# KiCad board MUX.kicad_pcb (continued)
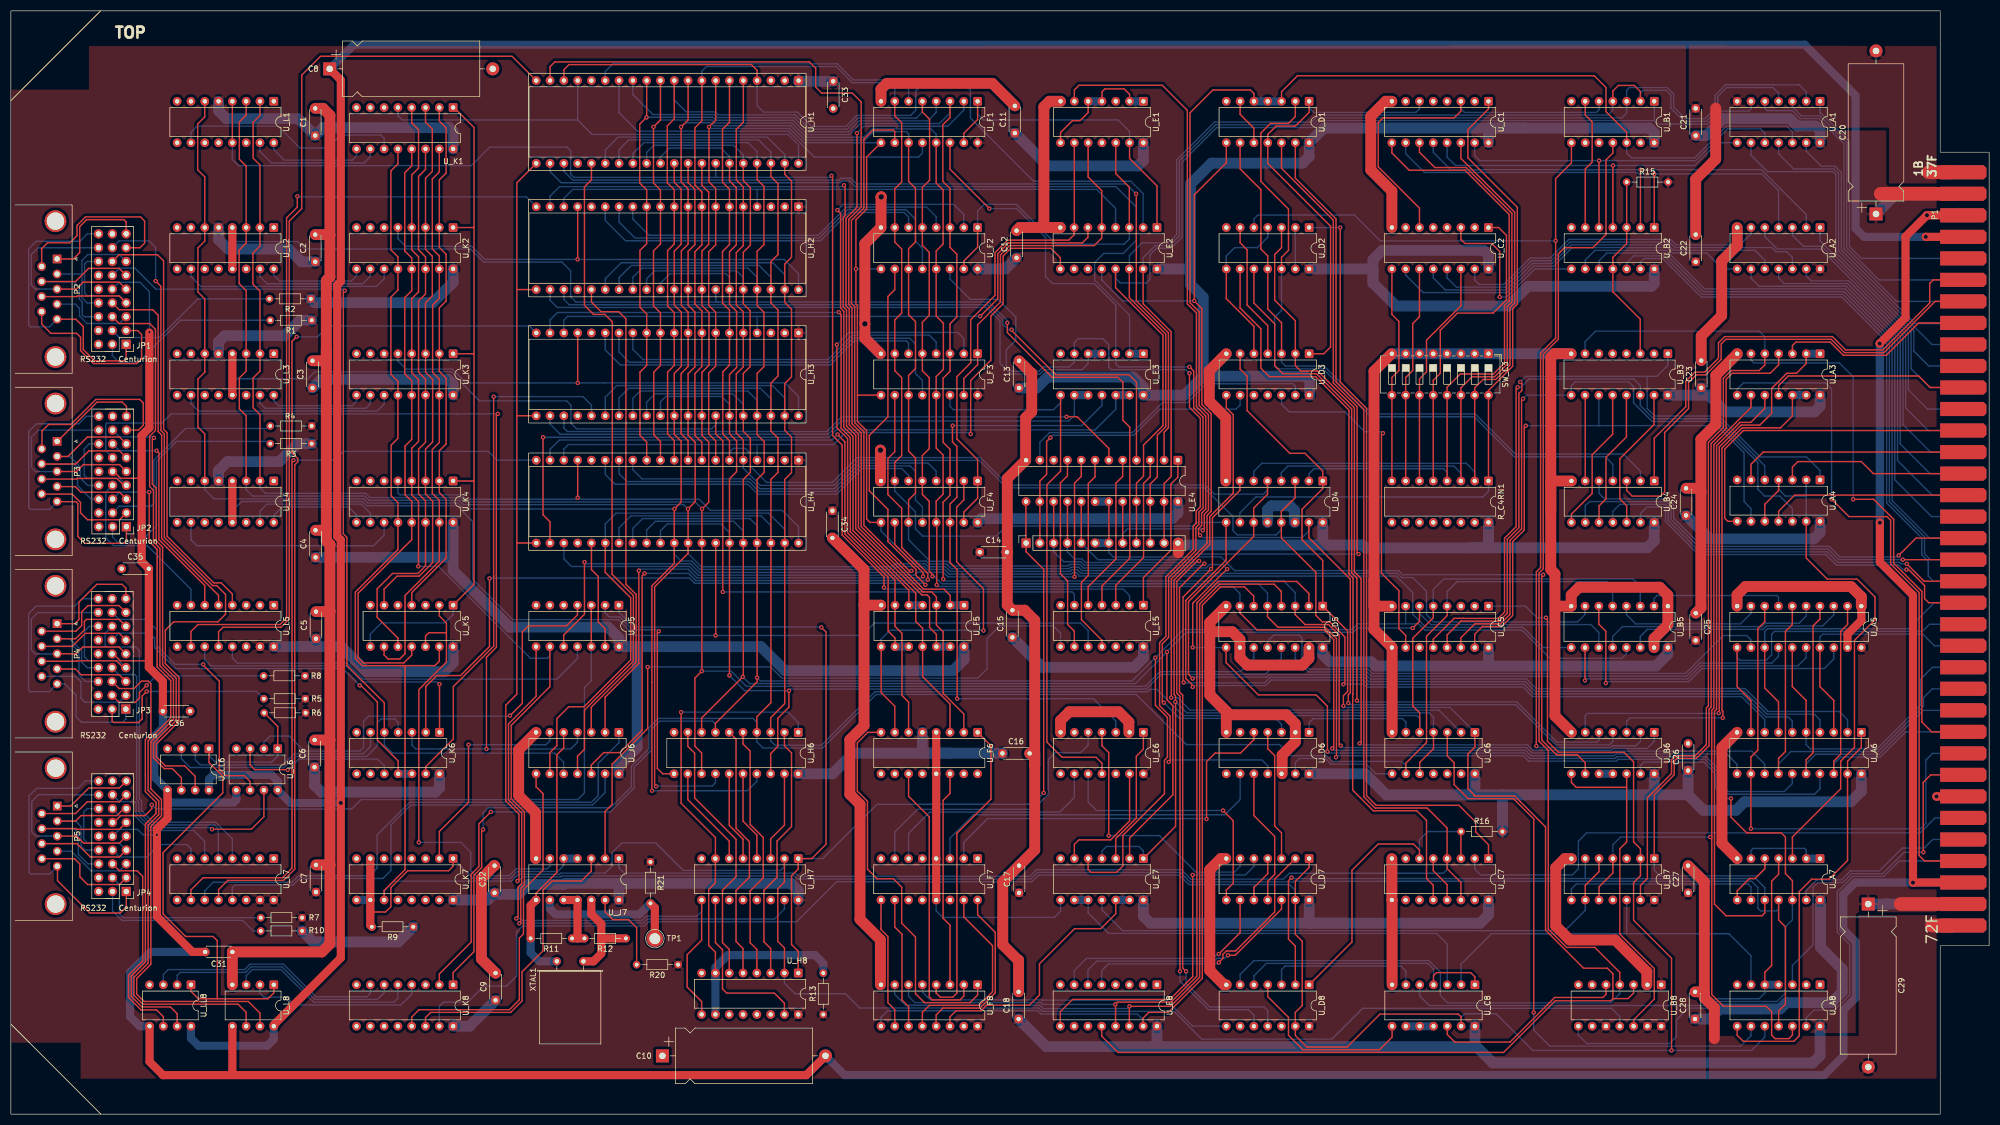
[diagram p0: board, top side]
## Nets (continued)
/~{CommonRead}: U_B8.3 U_C6.1 U_D3.6 U_D4.1 U_D5.1 U_E8.12
/~{CREndStrobe}: U_B8.5 U_C8.12
/~{CTS_{0}}: JP1.20 U_L5.4
/~{CTS_{1}}: JP2.20 U_L5.6
/~{CTS_{2}}: JP3.20 U_L7.4
/~{CTS_{3}}: JP4.20 U_L7.6
/~{DirectAddressed}: U_B6.1 U_D2.3 U_D3.2
/~{DirectRead}: U_C6.2 U_D1.8 U_E2.12
/~{DirectWrite}: U_D1.12 U_E4.18 U_E4.19 U_EB4.6 U_EB4.7
/~{ForceReset}: U_B6.9 U_E4.17 U_EB4.5
/~{ForceTXEInt}: U_D3.9 U_E4.14 U_EB4.2
/~{INT_INH}: U_A3.9 U_A8.12 U_B7.4 U_B7.10
/~{INT_Request}: U_A3.10 U_A7.10 U_B7.6 U_D8.2
/~{INTACK}: U_A8.6 U_B7.12 U_C8.2
/~{IntEnabled}: U_D8.8 U_F8.5
/~{InterruptsOFF}: U_D8.11 U_E4.15 U_EB4.3
/~{InterruptsON}: U_D8.10 U_E4.16 U_EB4.4
/~{INTHandled}: U_C8.1 U_C8.4 U_D8.5
/~{LoadCBR}: U_E4.13 U_EB4.1 U_H7.1 U_H8.1 U_J5.1
/~{LoadCR_{0}}: U_E4.1 U_E5.1
/~{LoadCR_{1}}: U_E4.3 U_E5.3
/~{LoadCR_{2}}: U_E4.5 U_E5.5
/~{LoadCR_{3}}: U_E4.7 U_E5.11
/~{LoadIPL}: U_D3.13 U_E4.11
/~{LoadRTS}: U_E4.9 U_E5.9
/~{LoadTxB_{0}}: U_E4.2 U_H1.23
/~{LoadTxB_{1}}: U_E4.4 U_H2.23
/~{LoadTxB_{2}}: U_E4.6 U_H3.23
/~{LoadTxB_{3}}: U_E4.8 U_H4.23
/~{ReadRxB_{0}}: U_E2.2 U_H1.4 U_H1.18
/~{ReadRxB_{1}}: U_E2.4 U_H2.4 U_H2.18
/~{ReadRxB_{2}}: U_E2.6 U_H3.4 U_H3.18
/~{ReadRxB_{3}}: U_E2.9 U_H4.4 U_H4.18
/~{ReadSR_{0}}: U_E1.13 U_E2.1 U_F1.1 U_F1.15
/~{ReadSR_{1}}: U_E1.12 U_E2.3 U_F2.1 U_F2.15
/~{ReadSR_{2}}: U_E1.10 U_E2.5 U_F3.1 U_F3.15
/~{ReadSR_{3}}: U_E1.9 U_E2.7 U_F4.1 U_F4.15
/~{Reset}: U_A8.10 U_B7.2 U_C5.1 U_C8.13 U_D7.1 U_D7.4 U_D7.10 U_D7.13 U_D8.13 U_K8.15
/~{RTS_REG_EN}: U_J7.3 U_K8.14
/~{RTS_{0}}: JP1.8 U_L8.7
/~{RTS_{1}}: JP2.8 U_L8.6
/~{RTS_{2}}: JP3.8 U_LL8.7
/~{RTS_{3}}: JP4.8 U_LL8.6
/~{RX_{0}}: JP1.11 U_L5.5
/~{RX_{1}}: JP2.11 U_L5.7
/~{RX_{2}}: JP3.11 U_L7.5
/~{RX_{3}}: JP4.11 U_L7.7
/~{SelfReset}: U_A7.12 U_B6.13 U_B8.8
/~{StatusOut}: U_B6.4 U_D4.15 U_E1.6
/~{SysDataOutEN}: U_A6.1 U_A6.19 U_A8.8
/~{TX_{0}_EIA}: JP1.17 U_J6.10 U_K6.5
/~{TX_{0}}: JP1.23 U_LL6.7
/~{TX_{1}_EIA}: JP2.17 U_J6.4 U_K6.3
/~{TX_{1}}: JP2.23 U_LL6.6
/~{TX_{2}_EIA}: JP3.17 U_K6.11 U_K6.12
/~{TX_{2}}: JP3.23 U_L6.6
/~{TX_{3}_EIA}: JP4.17 U_J5.3 U_J5.12
/~{TX_{3}}: JP4.23 U_L6.7
Sys.Clock: P1.31 U_C7.2
Sys.INT_IN: P1.33 U_A8.13
Sys.INT_OUT: P1.69 U_A3.8
Sys.~{A_{0}}: P1.5 U_A1.1
Sys.~{A_{1}}: P1.6 U_A1.3
Sys.~{A_{2}}: P1.7 U_A1.5
Sys.~{A_{3}}: P1.8 U_A1.13
Sys.~{A_{4}}: P1.9 U_A1.11
Sys.~{A_{5}}: P1.10 U_A1.9
Sys.~{A_{6}}: P1.11 U_A2.1
Sys.~{A_{7}}: P1.12 U_A2.3
Sys.~{A_{8}}: P1.13 U_A2.5
Sys.~{A_{9}}: P1.14 U_A2.13
Sys.~{A_{10}}: P1.15 U_A2.11
Sys.~{A_{11}}: P1.16 U_A2.9
Sys.~{A_{12}}: P1.17 U_B2.9
Sys.~{A_{13}}: P1.18 U_B2.10
Sys.~{A_{14}}: P1.19 U_B2.12
Sys.~{A_{15}}: P1.20 U_B2.13
Sys.~{APRE}: P1.47 U_A3.11
Sys.~{CPL_{0}}: P1.54 U_B4.5
Sys.~{CPL_{1}}: P1.55 U_B4.9
Sys.~{CPL_{2}}: P1.56 U_B4.11
Sys.~{CPL_{3}}: P1.57 U_B4.13
Sys.~{D_{0}}: P1.21 U_A5.13 U_A6.7
Sys.~{D_{1}}: P1.22 U_A5.11 U_A6.9
Sys.~{D_{2}}: P1.23 U_A5.17 U_A6.3
Sys.~{D_{3}}: P1.24 U_A5.15 U_A6.5
Sys.~{D_{4}}: P1.25 U_A5.6 U_A6.14
Sys.~{D_{5}}: P1.26 U_A5.4 U_A6.16
Sys.~{D_{6}}: P1.27 U_A5.2 U_A6.18
Sys.~{D_{7}}: P1.28 U_A5.8 U_A6.12
Sys.~{DRDY}: P1.44 U_A3.3
Sys.~{INR_{0}}: P1.52 U_A4.11
Sys.~{INR_{1}}: P1.49 U_A4.8
Sys.~{INR_{2}}: P1.50 U_A4.6
Sys.~{INR_{3}}: P1.51 U_A4.3
Sys.~{INTACK}: P1.65 U_A8.3
Sys.~{INTRQ}: P1.63 U_A3.6
Sys.~{RDIN}: P1.42 U_B4.1
Sys.~{Reset}: P1.32 U_A7.13
Sys.~{WTIN}: P1.43 U_B4.3
Net-(JP1-Pad1): JP1.1 JP1.27 P2.5
Net-(JP1-Pad2): JP1.2 R1.2
Net-(JP1-Pad4): JP1.4 P2.9
Net-(JP1-Pad5): JP1.5 R2.2
Net-(JP1-Pad7): JP1.7 P2.4
Net-(JP1-Pad10): JP1.10 JP1.21 P2.8
Net-(JP1-Pad12): JP1.12 JP1.19 P2.2
Net-(JP1-Pad13): JP1.13 JP1.24 P2.3
Net-(JP1-Pad16): JP1.9 JP1.16 P2.7
Net-(JP1-Pad22): JP1.22 P2.6
Net-(JP1-Pad25): JP1.25 P2.1
Net-(JP2-Pad1): JP2.1 JP2.27 P3.5
Net-(JP2-Pad2): JP2.2 R3.2
Net-(JP2-Pad4): JP2.4 P3.9
Net-(JP2-Pad5): JP2.5 R4.2
Net-(JP2-Pad7): JP2.7 P3.4
Net-(JP2-Pad10): JP2.10 JP2.21 P3.8
Net-(JP2-Pad12): JP2.12 JP2.19 P3.2
Net-(JP2-Pad13): JP2.13 JP2.24 P3.3
Net-(JP2-Pad16): JP2.9 JP2.16 P3.7
Net-(JP2-Pad22): JP2.22 P3.6
Net-(JP2-Pad25): JP2.25 P3.1
Net-(JP3-Pad1): JP3.1 JP3.27 P4.5
Net-(JP3-Pad2): JP3.2 R5.2
Net-(JP3-Pad4): JP3.4 P4.9
Net-(JP3-Pad5): JP3.5 R8.2
Net-(JP3-Pad7): JP3.7 P4.4
Net-(JP3-Pad10): JP3.10 JP3.21 P4.8
Net-(JP3-Pad12): JP3.12 JP3.19 P4.2
Net-(JP3-Pad13): JP3.13 JP3.24 P4.3
Net-(JP3-Pad16): JP3.9 JP3.16 P4.7
Net-(JP3-Pad22): JP3.22 P4.6
Net-(JP3-Pad25): JP3.25 P4.1
Net-(JP4-Pad1): JP4.1 JP4.27 P5.5
Net-(JP4-Pad2): JP4.2 R10.2
Net-(JP4-Pad4): JP4.4 P5.9
Net-(JP4-Pad5): JP4.5 R7.2
Net-(JP4-Pad7): JP4.7 P5.4
Net-(JP4-Pad10): JP4.10 JP4.21 P5.8
Net-(JP4-Pad12): JP4.12 JP4.19 P5.2
Net-(JP4-Pad13): JP4.13 JP4.24 P5.3
Net-(JP4-Pad16): JP4.9 JP4.16 P5.7
Net-(JP4-Pad22): JP4.22 P5.6
Net-(JP4-Pad25): JP4.25 P5.1
Net-(P1-Pad30): P1.30 P1.66
Net-(R6-Pad2): R6.2 U_L6.1 U_L8.1 U_LL6.1 U_LL8.1
Net-(R9-Pad2): R9.2 U_J7.4 U_J7.5 U_K7.1 U_K7.7 U_K7.9 U_K7.10
Net-(R11-Pad1): R11.1 R12.2 U_J7.10 U_J7.11
Net-(R11-Pad2): R11.2 U_J6.5 U_J7.8 XTAL1.1
Net-(R12-Pad1): R12.1 U_J7.12 XTAL1.2
Net-(R13-Pad2): R13.2 U_H6.1 U_H7.7 U_H8.7 U_H8.10
Net-(R15-Pad1): R15.1 U_B2.3 U_B2.11 U_B3.3
Net-(R16-Pad1): R16.1 U_C7.3 U_C7.6 U_D8.1
Net-(R20-Pad2): R20.2 U_J7.13
Net-(R21-Pad2): R21.2 TP1.1 U_J7.9
Net-(R_C4RN1-Pad1): R_C4RN1.1 SW_C3.16 U_C1.1 U_D4.10
Net-(R_C4RN1-Pad2): R_C4RN1.2 SW_C3.15 U_C1.14 U_D4.6
Net-(R_C4RN1-Pad3): R_C4RN1.3 SW_C3.14 U_C1.11 U_D4.4
Net-(R_C4RN1-Pad4): R_C4RN1.4 SW_C3.13 U_C1.9 U_D4.2
Net-(R_C4RN1-Pad5): R_C4RN1.5 SW_C3.12 U_C2.1
Net-(R_C4RN1-Pad6): R_C4RN1.6 SW_C3.11 U_C2.14
Net-(R_C4RN1-Pad7): R_C4RN1.7 SW_C3.10 U_C2.11
Net-(R_C4RN1-Pad8): R_C4RN1.8 SW_C3.9 U_C2.9
Net-(U_A1-Pad8): U_A1.8 U_B2.4 U_C1.13
Net-(U_A1-Pad10): U_A1.10 U_B2.5 U_C1.15
Net-(U_A2-Pad2): U_A2.2 U_B2.2 U_C1.12
Net-(U_A2-Pad4): U_A2.4 U_B2.1 U_C1.10
Net-(U_A2-Pad6): U_A2.6 U_C2.15
Net-(U_A2-Pad8): U_A2.8 U_C2.10
Net-(U_A2-Pad10): U_A2.10 U_C2.12
Net-(U_A2-Pad12): U_A2.12 U_C2.13
Net-(U_A3-Pad1): U_A3.1 U_A3.2 U_B6.6
Net-(U_A3-Pad12): U_A3.12 U_A3.13 U_B6.3
Net-(U_A4-Pad1): U_A4.1 U_B3.1 U_C5.13
Net-(U_A4-Pad5): U_A4.5 U_B3.14 U_C5.12
Net-(U_A4-Pad9): U_A4.9 U_B3.11 U_C5.15
Net-(U_A4-Pad12): U_A4.12 U_B3.9 U_C5.14
Net-(U_A7-Pad1): U_A7.1 U_A7.2 U_A7.6
Net-(U_A7-Pad9): U_A7.9 U_B7.8
Net-(U_A8-Pad9): U_A8.9 U_C6.3
Net-(U_B1-Pad6): U_B1.6 U_B2.6
Net-(U_B2-Pad8): U_B2.8 U_C2.3
Net-(U_B3-Pad10): U_B3.10 U_B4.6
Net-(U_B3-Pad12): U_B3.12 U_B4.8
Net-(U_B3-Pad13): U_B3.13 U_B4.10
Net-(U_B3-Pad15): U_B3.15 U_B4.12
Net-(U_B6-Pad5): U_B6.5 U_D2.10
Net-(U_B6-Pad10): U_B6.10 U_B6.11
Net-(U_B6-Pad12): U_B6.8 U_B6.12 U_B8.12
Net-(U_C6-Pad6): U_C6.6 U_D6.1
Net-(U_C6-Pad8): U_C6.8 U_D6.13
Net-(U_C7-Pad1): U_C7.1 U_D2.1
Net-(U_C8-Pad3): U_C8.3 U_E7.9 U_E7.10
Net-(U_C8-Pad6): U_C8.6 U_D8.3
Net-(U_C8-Pad8): U_C8.8 U_D8.4
Net-(U_C8-Pad10): U_C8.9 U_C8.10 U_C8.11
Net-(U_D1-Pad10): U_D1.6 U_D1.10
Net-(U_D2-Pad6): U_D2.6 U_D3.4
Net-(U_D2-Pad13): U_D2.2 U_D2.13
Net-(U_D5-Pad2): U_D5.2 U_E8.13 U_F8.6
Net-(U_D5-Pad4): U_D5.4 U_E8.14 U_F8.7
Net-(U_D5-Pad6): U_D5.6 U_E8.15 U_F8.9
Net-(U_D6-Pad4): U_D6.4 U_D7.3
Net-(U_D6-Pad10): U_D6.10 U_D7.11
Net-(U_D7-Pad2): U_D7.2 U_E8.5
Net-(U_D7-Pad5): U_D7.5 U_E8.9
Net-(U_D7-Pad6): U_D7.6 U_E6.4
Net-(U_D7-Pad8): U_D7.8 U_E6.10
Net-(U_D7-Pad9): U_D7.9 U_E8.7
Net-(U_D7-Pad12): U_D7.12 U_E8.6
Net-(U_E1-Pad1): U_E1.1 U_E1.2 U_E1.4 U_E1.5 U_E1.8
Net-(U_E3-Pad1): U_E3.1 U_E3.2 U_H1.22
Net-(U_E3-Pad4): U_E3.4 U_E3.5 U_H2.22
Net-(U_E3-Pad10): U_E3.9 U_E3.10 U_H3.22
Net-(U_E3-Pad12): U_E3.12 U_E3.13 U_H4.22
Net-(U_E5-Pad8): U_E5.8 U_J7.2
Net-(U_E6-Pad1): U_E6.1 U_E7.3
Net-(U_E6-Pad13): U_E6.13 U_E7.6
Net-(U_E7-Pad12): U_E7.12 U_E7.13 U_F8.14
Net-(U_F5-Pad1): U_F5.1 U_F5.2 U_H1.19
Net-(U_F5-Pad4): U_F5.4 U_F5.5 U_H3.19
Net-(U_F5-Pad10): U_F5.9 U_F5.10 U_H4.19
Net-(U_F5-Pad12): U_F5.12 U_F5.13 U_H2.19
Net-(U_H1-Pad17): U_H1.17 U_H1.40 U_K1.5
Net-(U_H2-Pad17): U_H2.17 U_H2.40 U_K2.5
Net-(U_H3-Pad17): U_H3.17 U_H3.40 U_K3.5
Net-(U_H4-Pad17): U_H4.17 U_H4.40 U_K4.5
Net-(U_H6-Pad2): U_H6.2 U_H8.3
Net-(U_H6-Pad5): U_H6.5 U_H8.4
Net-(U_H6-Pad6): U_H6.6 U_H8.5
Net-(U_H6-Pad9): U_H6.9 U_H8.6
Net-(U_H6-Pad11): U_H6.11 U_J5.2
Net-(U_H6-Pad12): U_H6.12 U_H7.6
Net-(U_H6-Pad15): U_H6.15 U_H7.5
Net-(U_H6-Pad16): U_H6.16 U_H7.4
Net-(U_H6-Pad19): U_H6.19 U_H7.3
Net-(U_H7-Pad9): U_H7.9 U_H8.9 U_J5.8
Net-(U_H7-Pad10): U_H7.10 U_H8.15
Net-(U_H7-Pad15): U_H7.15 U_J5.9 U_K1.4 U_K2.4 U_K3.4 U_K4.4
Net-(U_J5-Pad11): U_J5.11 U_L5.13
Net-(U_J6-Pad1): U_J6.1 U_L7.11
Net-(U_J6-Pad6): U_J6.6 U_K7.2
Net-(U_J6-Pad8): U_J6.8 U_K8.13
Net-(U_J6-Pad13): U_J6.13 U_L7.13
Net-(U_J7-Pad6): U_J7.6 U_K5.2 U_K5.12
Net-(U_K1-Pad1): U_K1.1 U_K2.1 U_K3.1 U_K4.1 U_K5.1 U_K5.8
Net-(U_K1-Pad2): U_K1.2 U_K2.2 U_K3.2 U_K4.2 U_K5.4
Net-(U_K1-Pad3): U_K1.3 U_K2.3 U_K3.3 U_K4.3 U_K5.6
Net-(U_K1-Pad9): U_K1.9 U_L1.16
Net-(U_K1-Pad10): U_K1.10 U_L1.15
Net-(U_K1-Pad11): U_K1.11 U_L1.10
Net-(U_K1-Pad13): U_K1.13 U_K2.13 U_K3.13 U_K4.13 U_K5.11
Net-(U_K1-Pad14): U_K1.14 U_K2.14 U_K3.14 U_K4.14 U_K5.10
Net-(U_K1-Pad15): U_K1.15 U_K2.15 U_K3.15 U_K4.15 U_K5.9
Net-(U_K2-Pad9): U_K2.9 U_L2.16
Net-(U_K2-Pad10): U_K2.10 U_L2.15
Net-(U_K2-Pad11): U_K2.11 U_L2.10
Net-(U_K3-Pad9): U_K3.9 U_L3.16
Net-(U_K3-Pad10): U_K3.10 U_L3.15
Net-(U_K3-Pad11): U_K3.11 U_L3.10
Net-(U_K4-Pad9): U_K4.9 U_L4.16
Net-(U_K4-Pad10): U_K4.10 U_L4.15
Net-(U_K4-Pad11): U_K4.11 U_L4.10
Net-(U_K6-Pad1): U_K6.1 U_L5.11

Pads without a net: JP1 3 6 15 18; JP2 3 6 15 18; JP3 3 6 15 18; JP4 3 6 15 18; P1 29 41 45 46 48 53 58 59 60 61 62 64 67 68; P2 0; P3 0; P4 0; P5 0; R_C4RN1 9 10 11 12 13 14 15; U_A8 1 2; U_B1 9 10 13; U_B3 5 6; U_B7 3 11; U_B8 6 9; U_C1 5 7; U_C2 5 7; U_C5 2 3 11; U_C6 11 12 13; U_C7 11 15; U_D3 10 11; U_D6 6 8; U_D8 9; U_E1 3 11; U_E2 10 11; U_E4 10; U_E5 12 13; U_E6 6 8; U_E8 1 2 3 4 10 11; U_F6 9 10 15 16; U_F7 1 8 11 14; U_F8 15; U_H1 2 24; U_H2 2 24; U_H3 2 24; U_H4 2 24; U_H7 11 12 13 14; U_H8 11 12 13 14; U_J5 5 6; U_K1 6; U_K2 6; U_K3 6; U_K4 6; U_K5 3 5; U_K6 8 9; U_K7 3 4 5 6 12 13 14 15; U_K8 9 10 11 12; U_L1 1 7 8 9 11 14; U_L2 1 7 8 9 11 14; U_L3 1 7 8 9 11 14; U_L4 1 7 8 9 11 14; U_L5 1 2 3 9 14; U_L7 1 2 3 9 14

## Via types
v1: diameter 0.8, hole 0.4, Top to Bottom, 160 vias
v2: diameter 2, hole 1, Top to Bottom, 3 vias
v3: diameter 1.5, hole 0.75, Top to Bottom, 7 vias

## Routing (per net, layer and track width the routed paths; a pad name or vN(x,y) marks a point on that pad's centre or on a via; arc(x,y) is an arc through that point)
+5V: length 1734.5
  Top w2: 214.81,103.29 214.81,105.08
  Top w2.5: 347.73,38.66 P1.35 ; P1.2 344.05,169.34
  Bottom w2: U_J6.14 111.88,64.14 115.24,67.5 115.24,86.02 U_J5.14 ; 52.51,86.02 60.81,86.02 65.42,81.4 79.73,81.4 81.38,83.05 U_K5.14 ; 52.51,86.02 U_L5.16 ; 52.51,86.02 56.05,86.02 56.14,86.11 C5.1 ; U_B5.16 304.88,84.66 302.68,82.46 251.07,82.46 250.29,83.24 242.7,83.24 241.38,84.55 U_D5.16 ; 219.39,135.77 238.12,135.77 239,134.9 239,132.28 ; 219.39,135.77 215.91,132.29 U_E3.14 208.38,133.74 206.52,135.61 190.73,135.61 188.74,133.61 C13.1 ; 219.39,135.77 219.39,150.31 217.05,152.65 217.05,155.45 ; 113.68,42.46 112.02,42.46 111.88,42.32 U_J7.14 ; 113.68,42.46 143.58,42.46 144.88,41.15 U_H7.16 ; 113.68,42.46 101.91,42.46 101.71,42.26 95.2,42.26 93.37,40.44 88.72,40.44 87.68,39.4 ; U_H1.1 144.93,190.05 144.94,190.04 C33.1 ; U_F6.5 167.72,66.42 172.85,66.42 ; C12.1 182.99,155.52 U_F2.16 ; 271.88,83.26 U_C5.16 ; U_B3.16 311.03,132.29 ; 311.03,132.29 C23.1 ; 311.03,132.29 312.39,132.29 315.47,129.21 331.85,129.21 332.88,130.24 U_A3.14 ; C15.1 189.78,82.22 206.68,82.22 208.38,83.92 U_E5.14 ; C26.1 308.61,58.72 ; 308.61,58.72 311.43,55.91 317.43,55.91 319,57.48 338.56,57.48 340.49,59.4 U_A6.20 ; 308.61,58.72 308.59,58.75 301.83,58.75 ; U_L3.5 38.22,142.1 39.35,143.23 50.37,143.23 53.22,146.08 R1.1 ; U_K1.16 81.38,180.81 80.67,181.51 57.45,181.51 C1.1 52.9,183.16 39.65,183.16 38.22,184.6 U_L1.5 ; C3.1 57.09,135.2 80.47,135.2 81.38,134.3 U_K3.16 ; 274.45,58.75 301.83,58.75 ; 274.45,58.75 266.07,58.75 ; 274.45,58.75 R16.2 ; 301.83,58.75 302.38,59.3 U_B6.14 ; 269.37,12.73 269.06,12.42 190.51,12.42 C18.1 ; U_D4.16 241.38,104.72 ; 241.38,104.72 215.1,104.72 U_EB4.12 ; 241.38,104.72 248.64,104.72 249.17,104.19 268.58,104.19 268.61,104.22 ; U_K2.16 81.38,153.05 77.64,149.31 55.9,149.31 R2.1 ; U_J5.14 138.01,86.02 142.44,81.59 173.34,81.59 175.38,83.63 U_F5.14 ; U_J5.14 111.88,87.6 109.87,89.61 91.8,89.61 81.38,100.03 U_K4.16 ; U_C6.14 269.38,58.75 266.07,58.75 ; U_K6.14 78.88,60.03 78.11,59.26 57.13,59.26 55.88,60.5 C6.1 ; U_H6.20 151.17,62.63 154.97,66.42 172.85,66.42 ; R_C4RN1.16 271.88,104.24 271.91,104.22 268.61,104.22 ; U_K7.16 87.68,39.4 ; 87.68,39.4 C32.1 ; R3.1 52.71,123.37 49.41,120.07 39.86,120.07 38.22,118.43 U_L4.5 ; P1.35 345.07,38.66 345.07,38.66 C29.1 ; 210.88,12.42 U_E8.16 ; 250.62,152.93 250.62,157.2 252.35,158.93 271,158.93 271.88,158.04 U_C2.16 ; 250.62,152.93 254.87,148.69 275.5,148.69 279.13,152.32 301.88,152.32 302.38,152.83 U_B2.14 ; 250.62,152.93 250.62,155.47 250.58,155.52 U_D2.14 ; 210.95,155.52 216.98,155.52 217.05,155.45 ; U_A1.14 332.88,181.01 332.08,181.82 328.66,181.82 327.32,183.16 315.08,183.16 311.98,180.06 C21.1 ; 266.07,58.75 253.09,58.75 249.21,62.63 U_D6.14 ; 278.43,181.44 241.59,181.44 U_D1.14 238.88,176.19 237.67,174.98 220.91,174.98 217.05,171.12 217.05,155.45 ; 278.43,181.44 301.46,181.44 302.38,180.52 U_B1.14 ; 278.43,181.44 271.88,181.44 U_C1.16 ; 172.85,66.42 182.4,66.42 C16.1 ; 81.26,102.44 C4.1 ; R9.1 71.25,31.67 55.63,31.67 R10.1 ; P1.2 346.89,169.34 C20.1 ; C9.1 84.41,16.18 U_K8.16 ; C11.1 190.78,174.47 207.39,174.47 208.38,175.46 U_E1.14 ; U_A4.14 332.88,107 331.73,105.84 312.55,105.84 C24.1 ; 245.8,35.13 270.34,35.13 271.88,36.68 U_C7.16 ; 245.8,35.13 209.68,35.13 208.38,36.43 U_E7.14 ; 245.8,35.13 238.94,35.13 238.88,35.19 U_D7.14 ; U_L2.5 38.22,160.91 39.94,159.18 51.13,159.18 53.48,156.84 C2.1 ; U_B4.14 302.38,105.48 301.12,104.22 268.61,104.22 ; U_A8.14 332.88,10.76 331.55,9.42 272.67,9.42 269.38,12.71 U_C8.14 ; U_E4.24 214.73,110.64 213.66,109.57 178.57,109.57 U_F4.16 ; C28.1 312.58,17.5 314.44,19.35 325.54,19.35 326.69,20.5 334.99,20.5 336.97,22.48 336.97,26.68 332.98,30.68 332.98,39.4
+12V: length 567.6
  Top w1.5: U_L8.8 48.38,16.42 60.71,28.75 v3(60.71,57.26) 60.71,105.65 60.04,106.32 60.04,152.55 60.71,153.21 60.71,190.28 C8.1 ; P1.4 v3(352.35,161.42)
  Bottom w1.5: v3(60.71,57.26) 51.46,57.26 U_L6.8 49.1,61.26 47.93,62.43 37.29,62.43 36.45,61.6 U_LL6.8 ; U_LL8.8 33.14,13.95 34.52,12.57 47.17,12.57 48.38,13.78 U_L8.8 ; P1.4 v3(352.35,161.42) 341,161.42 339.42,163 339.42,187.43 330.08,196.77 63.1,196.77 C8.1
-12V: length 736.8
  Top w0.25: 18.87,84.68 20.14,83.41 25.61,83.41 ; 24.66,116.99 20.19,116.99 18.93,118.25
  Top w1.5: 35.76,29.85 33.4,29.85 26.87,36.38 26.87,52.47 28.83,54.43 U_LL6.5 ; P1.3 352.58,165.38 v3(352.56,165.41) 348.62,161.47 348.62,146.54 v3(343.86,141.78) ; U_L8.5 40.75,7.48 ; C36.2 27.97,79.63 25.39,82.21 C35.2 24.06,101.69 24.06,124.85 25.48,126.27 25.48,143.82 ; P1.34 350.01,42.62 v3(349.99,42.6) 349.99,95.48 343.89,101.57 v3(343.89,108.82) ; C10.2 146.35,7.17 27.98,7.17 25.48,9.68 ; 25.52,9.72 U_LL8.5
  Bottom w0.25: JP1.14 19.92,153.06 23.75,153.06 25.5,151.3 v1(25.5,143.9) ; v1(26.87,51.38) 24.31,51.38 23.3,52.4 19.97,52.4 JP4.14
  Bottom w1.5: 35.76,29.85 25.68,29.85 21.92,26.09 21.92,17.96 23.7,16.18 U_LL8.5 ; v3(343.86,141.78) 343.89,141.74 v3(343.89,108.82) ; 27.99,74.12 27.99,71.09 26.38,69.48 26.38,62.06 U_LL6.5 28.83,57.95 29.46,57.33 40.97,57.33 41.48,57.84 U_L6.5 ; P1.34 350.01,42.62 v3(349.99,42.6) 349.97,42.62 339.37,42.62 337.17,40.42 337.17,33.96 339.47,31.66 339.47,21.45 337.19,19.16 337.19,10.72 333.64,7.17 153.44,7.17 C10.2 ; v3(352.56,165.41) 357.23,165.41
GND: length 1269.3
  Top w1.5: U_A5.19 337.94,88.31 340.49,90.86 340.49,90.86 U_A5.1
  Top w2: U_A3.7 317.64,139.88 313.72,135.96 313.72,126.92 310.97,124.16 310.97,114.53 ; 58.67,104.83 58.71,104.83 ; 58.71,104.83 58.71,92.51 ; 58.71,104.83 58.04,105.49 58.04,107.49 ; C4.2 57.99,107.44 58.04,107.49 ; 250.81,98.35 250.81,93.47 254.02,93.47 ; 250.81,98.35 250.81,89.19 254.1,85.9 U_C5.9 254.14,85.81 U_C6.7 ; 250.81,98.35 250.81,136.7 254.02,139.91 ; U_C7.9 254.14,39.36 U_C8.7 ; C25.2 310.97,93.13 310.97,114.53 ; 188.39,64.19 188.39,90.86 186.53,92.72 C15.2 183.34,93.66 183.34,103.35 C14.2 183.34,103.46 183.34,116.95 186.72,120.33 186.72,128.14 187.84,129.26 187.84,136.32 187.8,136.32 C13.2 ; 188.39,64.19 188.39,66.34 188.36,66.37 C16.2 ; 188.39,64.19 188.39,48.61 C17.2 182.51,42.72 182.51,31.16 185.32,28.35 185.42,28.35 C18.2 ; 220.65,77.09 223.64,74.1 U_D6.7 ; U_D8.7 223.22,23.8 220.6,26.42 220.6,44.99 222.64,47.02 223.54,47.02 ; C7.2 58.7,45.86 58.71,45.85 ; C5.2 58.67,92.47 58.71,92.51 ; 205.71,70.25 205.71,72.16 203.84,74.04 194.74,74.04 193.14,72.44 U_E6.7 ; U_C1.8 252.97,186.36 250.21,183.6 250.21,173.73 254.1,169.84 U_C2.8 ; U_A7.7 314.84,49.83 314.84,67.46 U_A6.10 ; C27.2 311.59,42.75 311.59,22.35 ; v2(160.15,168.78) 160.1,168.73 U_F2.8 157.13,160.17 157.13,142.77 159.99,139.91 ; U_B3.8 284.01,139.91 283.34,139.24 283.34,110.92 ; U_D5.15 238.84,83.85 237.62,82.63 227.51,82.63 226.14,84 U_D5.10 226.14,87.35 224.72,88.77 220.65,88.77 220.6,88.72 220.6,90.47 ; 284.45,93.47 U_B5.8 287.1,95.51 288.55,96.95 303.41,96.95 304.88,95.47 U_B5.1 304.88,90.05 302.34,87.51 U_B5.15 ; C32.2 88.93,45.72 86.57,43.37 86.57,28.56 89.18,25.95 C9.2 ; C23.2 311.03,143.18 314.79,146.94 314.79,156.97 317.64,159.83 U_A2.7 ; 58.04,107.49 58.04,140.61 ; 311.59,22.35 311.59,21.42 313.44,19.57 313.44,13.89 ; 311.59,22.35 311.44,22.5 C28.2 ; U_F1.8 160.1,188.6 161.17,189.66 180.59,189.66 C11.2 ; C2.2 58.59,161.84 58.71,161.72 ; 58.71,45.85 58.71,31.32 57.23,29.85 C31.1 U_L8.4 ; 58.71,45.85 58.71,68.88 ; 310.97,114.53 310.34,115.16 C24.2 ; 220.6,90.47 220.6,77.14 224.26,73.48 234.67,73.48 236.34,71.81 U_D6.2 236.34,68.5 233.92,66.07 233.92,62.63 ; 220.6,90.47 U_D5.8 ; 301.01,23.8 301.01,26.21 295.18,32.05 286.83,32.05 284.25,34.63 284.25,45.34 285.94,47.02 U_B7.7 ; C22.2 310.01,172.03 313.69,175.72 313.69,185.09 ; 156.97,93.65 160.03,93.65 160.04,93.64 ; C6.2 58.67,68.84 58.71,68.88 ; C3.2 57.54,138.61 58.04,139.12 58.04,153.37 58.71,154.04 58.71,161.72 ; 58.71,68.88 58.71,92.51 ; U_B4.7 283.47,116.5 283.34,116.37 283.34,110.92 ; U_B6.7 284.11,73.28 284.11,99.43 283.34,100.2 283.34,110.92 ; U_J6.7 93.44,67.05 93.44,58.61 96.55,55.5 96.55,47.02 ; 58.71,161.72 58.71,183.79 57.44,185.06 C1.2 ; 223.54,116.5 223.54,128.13 220.51,131.16 220.51,136.79 U_D3.7 ; v2(159.99,122.17) 159.99,116.5 ; U_A5.10 317.62,95.55 319.15,97.08 338.58,97.08 340.49,95.18 U_A5.1 ; U_C7.8 254.1,39.53 ; 159.99,23.8 159.99,32.08 156.24,35.84 156.24,56.99 154.38,58.85 154.38,68.89 156.97,71.49 156.97,100.21 C34.2 ; C12.2 185.61,163.14 U_E2.8 190.23,163.14 190.07,163.3 190.07,185.34 191.09,186.36 U_E1.7
  Top w2.5: P1.36 353.55,34.7 ; 352.92,173.3 P1.1
  Bottom w2: SW_C3.8 SW_C3.1 U_B3.8 ; U_D4.12 231.22,111.23 231.93,111.94 235.33,111.94 236.19,111.08 236.19,108.88
  Bottom w2.5: P1.36 353.42,34.7 ; P1.1 352.97,173.3
  vias: v2(157.13,145.41)
/CausePending: length 253.7
  Top w0.25: U_B8.4 296.04,26.09 291.45,30.68 286.26,30.68 282.88,34.06 282.88,66.94 281.18,68.63 281.18,99.57 281.96,100.36 281.96,139.81 284.74,142.58 284.74,158.29 285.88,159.44 291.09,159.44 293.5,161.85 293.5,175.56 294.76,176.83 U_B1.11
  Bottom w0.25: U_B8.4 296.04,22.15 294.37,20.48 264.38,20.48 263.02,21.84 263.02,26.14 260.92,28.24 228.72,28.24 226.18,25.7 U_D8.6
/CommonRead: length 30.9
  Top w0.25: U_D3.5 228.72,144.97 223.64,150.05 U_D2.8
  Bottom w0.25: U_D2.4 231.26,161.33 229.37,159.44 225.17,159.44 223.64,157.9 U_D2.8
/CTS_{0}_TTL: length 171.9
  Top w0.25: U_J5.10 101.72,88.15 105.54,91.97 v1(105.54,101.57) ; v1(165.7,99.96) 165.31,99.96 156.96,108.32 156.96,125.54 155.26,127.24 155.26,148.56 154.66,149.16 154.66,164.44 156.96,166.74 156.96,179.41 158.63,181.08 162.33,181.08 162.64,180.77 U_F1.10
  Bottom w0.25: v1(165.7,99.96) 165.42,99.68 126.65,99.68 125.06,101.27 105.84,101.27 v1(105.54,101.57)
/CTS_{1}_TTL: length 180.8
  Top w0.25: U_K6.2 76.34,78.67 78.36,80.7 82.73,80.7 88.06,86.03 v1(88.06,98.58) ; U_F2.10 162.64,151.71 161.37,150.44 161.37,128.3 157.96,124.89 157.96,114.69 161.37,111.28 161.37,105.38 166.02,100.74 166.02,100.74 166.55,100.21 166.55,99.13 v1(168.28,97.4)
  Bottom w0.25: v1(88.06,98.58) 88.12,98.63 124.87,98.63 125.82,97.68 168,97.68 v1(168.28,97.4)
/CTS_{2}_TTL: length 132.9
  Top w0.25: U_J6.12 106.8,64.22 109.1,66.52 112.04,66.52 116.16,70.64 116.16,99.06 v1(116.6,99.5) ; U_F3.10 162.64,121.9 161.37,120.62 161.37,114.02 163.91,111.48 163.91,104.27 168.72,99.45 v1(168.72,98.35)
  Bottom w0.25: v1(168.72,98.35) 168.54,98.18 126.03,98.18 124.71,99.5 v1(116.6,99.5)
/CTS_{3}_TTL: length 97.6
  Top w0.25: v1(115.55,100) 115.54,99.99 115.54,82.93 109.34,76.72 U_J6.2 ; v1(167.86,98.95) 167.86,99.61 166.23,101.24 166.22,101.24 162.64,104.82 U_F4.10
  Bottom w0.25: v1(167.86,98.95) 167.58,98.68 126.23,98.68 124.64,100.27 115.82,100.27 v1(115.55,100)
/Data.InBD_{0}: length 524.9
  Top w0.25: U_H1.39 142.39,172.93 143.64,171.68 143.64,157.66 142.39,156.41 U_H2.39 142.39,149.36 143.64,148.11 143.64,135.66 142.39,134.41 U_H3.39 142.39,125.84 143.64,124.59 143.64,118.03 142.39,116.78 142.39,75.53 139.8,72.94 U_H6.3 ; U_C5.5 261.72,91.34 257.94,87.55 257.94,75.11 259.22,73.83 U_C6.5 ; U_J6.9 99.18,66.51 100.46,67.79 100.46,72.77 102.64,74.96 105.45,74.96 114.04,83.55 114.04,95.01 109.37,99.68 109.37,105.08
  Bottom w0.25: 142.39,105.08 142.39,107.6 139.4,110.59 111.35,110.59 109.37,108.6 109.37,105.08 ; U_H3.26 109.37,131.92 111.5,134.05 140.12,134.05 142.39,131.78 U_H3.39 ; U_B5.3 299.8,97.13 298.45,98.48 263.65,98.48 261.72,96.54 U_C5.5 ; U_H1.26 109.37,177.39 111.75,179.76 139.16,179.76 142.39,176.54 U_H1.39 ; U_C6.5 259.22,72.81 258.7,73.33 215.69,73.33 210.87,78.16 209.57,78.16 209.13,77.71 159,77.71 149.16,67.87 140.59,67.87 139.8,68.66 U_H6.3 ; U_H2.26 109.37,153.71 112.32,156.66 140.17,156.66 142.39,154.44 U_H2.39
/Data.InBD_{1}: length 551.5
  Top w0.25: U_C6.9 256.68,64.58 260.48,68.38 260.48,87.94 264.26,91.72 U_C5.4 ; v1(86.89,52.38) 86.62,52.1 86.62,45.36 85.2,43.94 85.2,29.87 81.38,26.05 U_K8.1 ; U_H1.38 139.85,172.53 141.15,171.22 141.15,158.17 139.85,156.86 U_H2.38 139.85,149.26 141.15,147.96 141.15,135.81 139.85,134.51 U_H3.38 139.85,125.69 141.15,124.38 141.15,118.08 139.85,116.78 139.85,75.7 137.26,73.11 U_H6.4
  Bottom w0.25: U_H1.38 139.85,177 137.58,179.26 113.68,179.26 111.91,177.49 U_H1.27 ; U_H3.38 139.85,131.63 137.92,133.55 113.69,133.55 111.91,131.77 U_H3.27 ; U_C5.4 264.26,96.16 266.08,97.98 293.75,97.98 294.72,97 U_B5.5 ; v1(86.89,52.38) 86.89,55.44 87.83,56.38 110.34,56.38 114.18,60.23 114.18,64.01 117.36,67.19 117.36,71.05 119.12,72.81 136.54,72.81 137.26,72.09 137.26,68.5 138.39,67.37 149.36,67.37 159.21,77.21 207.07,77.21 216.28,68 233.45,68 235.51,65.95 242.06,65.95 243.11,64.9 255.91,64.9 256.68,64.12 U_C6.9 ; U_H2.38 139.85,153.98 137.67,156.16 114.15,156.16 111.91,153.92 U_H2.27 ; 139.85,105.08 139.85,108.26 138.03,110.09 114.1,110.09 111.91,107.89 111.91,105.08
/Data.InBD_{2}: length 542.3
  Top w0.25: U_H1.37 137.31,171.97 138.56,170.71 138.56,159.99 137.31,158.74 U_H2.37 137.31,148.8 138.56,147.55 138.56,137.54 137.31,136.29 U_H3.37 137.31,125.03 138.61,123.72 138.61,118.08 137.31,116.78 137.31,79.56 129.64,71.89 U_H6.7 ; v1(88.31,55.61) 86.12,53.42 86.12,45.56 84.7,44.14 84.7,31.66 78.84,25.8 U_K8.2 ; v1(210.59,84) 210.59,75.22 212.8,73.01 212.8,65.67 212.25,65.12 212.25,58.94 204.6,51.29 204.6,45.64 203.43,44.48 198.76,44.48 198.22,45.01 U_E7.5
  Bottom w0.25: 114.45,105.08 114.45,107.79 116.24,109.59 135.99,109.59 137.31,108.26 137.31,105.08 ; v1(88.31,55.61) 110.27,55.61 114.68,60.02 114.68,63.81 117.86,66.98 117.86,70.79 119.38,72.31 129.16,72.31 129.64,71.84 U_H6.7 ; U_H1.37 137.31,177.1 135.64,178.76 116.49,178.76 114.45,176.73 U_H1.28 ; 256.67,90.22 256.64,90.25 U_C5.7 ; U_H2.37 137.31,153.98 135.63,155.66 116.14,155.66 114.45,153.97 U_H2.28 ; U_B5.13 297.26,84.71 296.43,83.87 283.21,83.87 278.01,89.07 260.16,89.07 259.01,90.22 247.82,90.22 246.76,89.16 215.75,89.16 210.59,84 v1(210.59,84) 206.31,79.71 137.91,79.71 v1(137.31,80.31) ; U_H3.28 114.45,131.72 115.79,133.05 135.58,133.05 137.31,131.33 U_H3.37
/Data.InBD_{3}: length 417.4
  Top w0.25: U_E7.2 205.84,50.8 213.8,58.76 213.8,75.15 212.71,76.24 212.71,85.03 v1(212.72,85.04) ; U_C5.6 259.18,90.69 v1(257.94,89.45) ; U_H6.8 127.1,72.89 v1(134.67,80.46) 134.77,80.56 134.77,116.78 136.07,118.08 136.07,124.33 134.77,125.64 U_H3.36 134.77,136.29 136.02,137.54 136.02,147.85 134.77,149.11 U_H2.36 134.77,158.59 136.07,159.89 136.07,170.46 134.77,171.76 U_H1.36
  Bottom w0.25: U_H2.29 116.99,153.71 118.44,155.16 133.54,155.16 134.77,153.93 U_H2.36 ; U_H1.36 134.77,176.49 132.99,178.26 118.27,178.26 116.99,176.98 U_H1.29 ; U_C5.6 259.18,92.15 261.27,90.07 290.73,90.07 292.18,88.62 U_B5.11 ; v1(257.94,89.45) 247.75,89.45 246.97,88.66 216.25,88.66 212.72,85.14 v1(212.72,85.04) 212.72,85.04 206.9,79.21 135.91,79.21 v1(134.67,80.46) ; U_H3.36 134.77,130.62 132.83,132.55 118.54,132.55 116.99,131.01 U_H3.29 ; 116.99,105.08 116.99,107.48 118.59,109.09 132.98,109.09 134.77,107.3 134.77,105.08
/Data.InBD_{4}: length 291.3
  Top w0.25: v1(132.21,80.73) 132.23,80.74 132.23,116.91 133.53,118.21 133.53,123.88 132.23,125.18 U_H3.35 132.23,136.09 133.53,137.39 133.53,147.7 132.23,149 U_H2.35 132.23,158.69 133.48,159.94 133.48,170.46 132.23,171.71 U_H1.35 ; U_H6.18 139.8,66.34 141.1,67.64 141.1,72.82 143.16,74.88 v1(143.16,77.91)
  Bottom w0.25: U_H2.30 119.53,152.9 121.29,154.66 131.55,154.66 132.23,153.98 U_H2.35 ; U_H1.35 132.23,176.18 130.65,177.76 121.18,177.76 119.53,176.12 U_H1.30 ; U_D5.13 233.76,83.85 230.82,80.91 211.62,80.91 208.92,78.21 143.46,78.21 v1(143.16,77.91) 135.02,77.91 v1(132.21,80.73) ; 119.53,105.08 119.53,107.33 120.78,108.59 130.64,108.59 132.23,106.99 132.23,105.08 ; U_H3.35 132.23,130.62 130.79,132.05 120.53,132.05 119.53,131.06 U_H3.30
/Data.InBD_{5}: length 481.6
  Top w0.25: U_H1.31 122.07,171.46 123.32,170.21 123.32,160.05 122.07,158.79 U_H2.31 122.07,148.85 123.37,147.55 123.37,137.59 122.07,136.29 U_H3.31 122.07,125.08 123.32,123.83 123.32,112.58 v1(122.1,111.36) 122.07,111.33 122.07,101.34 117.95,97.22 117.95,79.49 117.95,59.54 v1(117.99,59.5) ; U_L4.6 35.67,125.16 34.42,126.42 34.42,135.26 35.74,136.58 35.67,136.64 U_L3.6 35.67,150 34.42,151.26 34.42,159.39 35.67,160.64 U_L2.6 35.67,172.46 34.37,173.76 34.37,182.19 35.67,183.5 U_L1.6
  Bottom w0.25: v1(122.1,111.36) 83.36,111.36 82.27,112.45 65.67,112.45 64.89,113.22 37.35,113.22 35.67,114.9 U_L4.6 ; U_H6.17 137.26,61.23 135.53,59.5 v1(117.99,59.5) ; U_B5.9 281.94,85.85 278.22,89.57 260.37,89.57 257.94,92 257.94,95.99 254.92,99 196.49,99 196.49,99.19 196.03,99.64 195.39,99.64 195.11,99.37 172.62,99.37 171.76,100.23 168.52,100.23 167.99,100.76 162.99,100.76 162.46,100.23 126.81,100.23 125.25,101.78 123.32,101.78 122.07,103.03 122.07,105.08
/Data.InBD_{6}: length 468.2
  Top w0.25: U_L4.3 43.3,128.51 42.04,129.77 42.04,135.46 43.3,136.71 U_L3.3 43.3,151.53 41.99,152.83 41.99,158.98 43.3,160.28 U_L2.3 43.3,174.44 42.04,175.69 42.04,182.55 43.3,183.81 U_L1.3 ; v1(118.72,60.3) 118.45,60.58 118.45,97.01 124.61,103.17 124.61,111.34 v1(124.59,111.36) 125.91,112.68 125.91,123.62 124.61,124.93 U_H3.32 124.61,136.24 125.86,137.49 125.86,147.6 124.61,148.85 U_H2.32 124.61,158.74 125.86,159.99 125.86,170.15 124.61,171.41 U_H1.32
  Bottom w0.25: U_L4.3 43.3,114.9 44.47,113.72 65.1,113.72 65.88,112.95 82.48,112.95 83.28,112.14 123.81,112.14 v1(124.59,111.36) ; v1(118.72,60.3) 118.8,60.38 129.03,60.38 129.64,60.98 U_H6.14 ; U_B5.7 289.64,91.94 288.28,90.57 261.78,90.57 260.48,91.87 260.48,96.19 257.94,98.73 255.9,98.73 255.13,99.5 196.88,99.5 196.24,100.14 195.18,100.14 194.91,99.87 172.82,99.87 171.96,100.73 168.73,100.73 168.19,101.26 162.78,101.26 162.25,100.73 127.01,100.73 124.61,103.13 124.61,105.08
/Data.InBD_{7}: length 380.6
  Top w0.25: U_H6.13 127.1,66.45 125.86,67.69 125.86,80.24 v1(127.13,81.51) 127.15,81.53 127.15,111.33 128.4,112.58 128.4,123.67 127.15,124.93 U_H3.33 127.15,136.49 128.45,137.8 128.45,147.5 127.15,148.8 U_H2.33 127.15,158.79 128.4,160.05 128.4,169.65 127.15,170.9 U_H1.33 ; U_L1.2 45.83,183.75 44.58,182.5 44.58,175.9 45.83,174.64 U_L2.2 45.83,159.73 44.53,158.42 44.53,152.73 45.83,151.42 U_L3.2 45.83,136.71 44.58,135.46 44.58,129.97 45.83,128.72 U_L4.2
  Bottom w0.25: v1(127.13,81.51) 132.52,81.51 135.32,78.71 208.71,78.71 211.41,81.41 226.24,81.41 228.68,83.85 U_D5.11 ; v1(127.18,111.36) 125.9,112.64 83.49,112.64 82.68,113.45 66.08,113.45 65.31,114.22 46.87,114.22 45.83,115.25 U_L4.2
/Data.InD_{0}: length 26.3
  Bottom w0.25: U_B5.2 302.34,94.87 302.9,95.43 325,95.43 325.25,95.18 U_A5.7
/Data.InD_{1}: length 27.3
  Bottom w0.25: U_A5.9 320.17,92.12 318.25,90.21 298.98,90.21 297.26,91.92 U_B5.4
/Data.InD_{2}: length 40.9
  Bottom w0.25: U_B5.14 299.8,87.89 301.12,89.21 322.38,89.21 322.99,89.82 333.35,89.82 335.4,91.87 335.4,93.47
